# Altium PCB tester_board.PcbDoc (part 1 of 4) (continued)
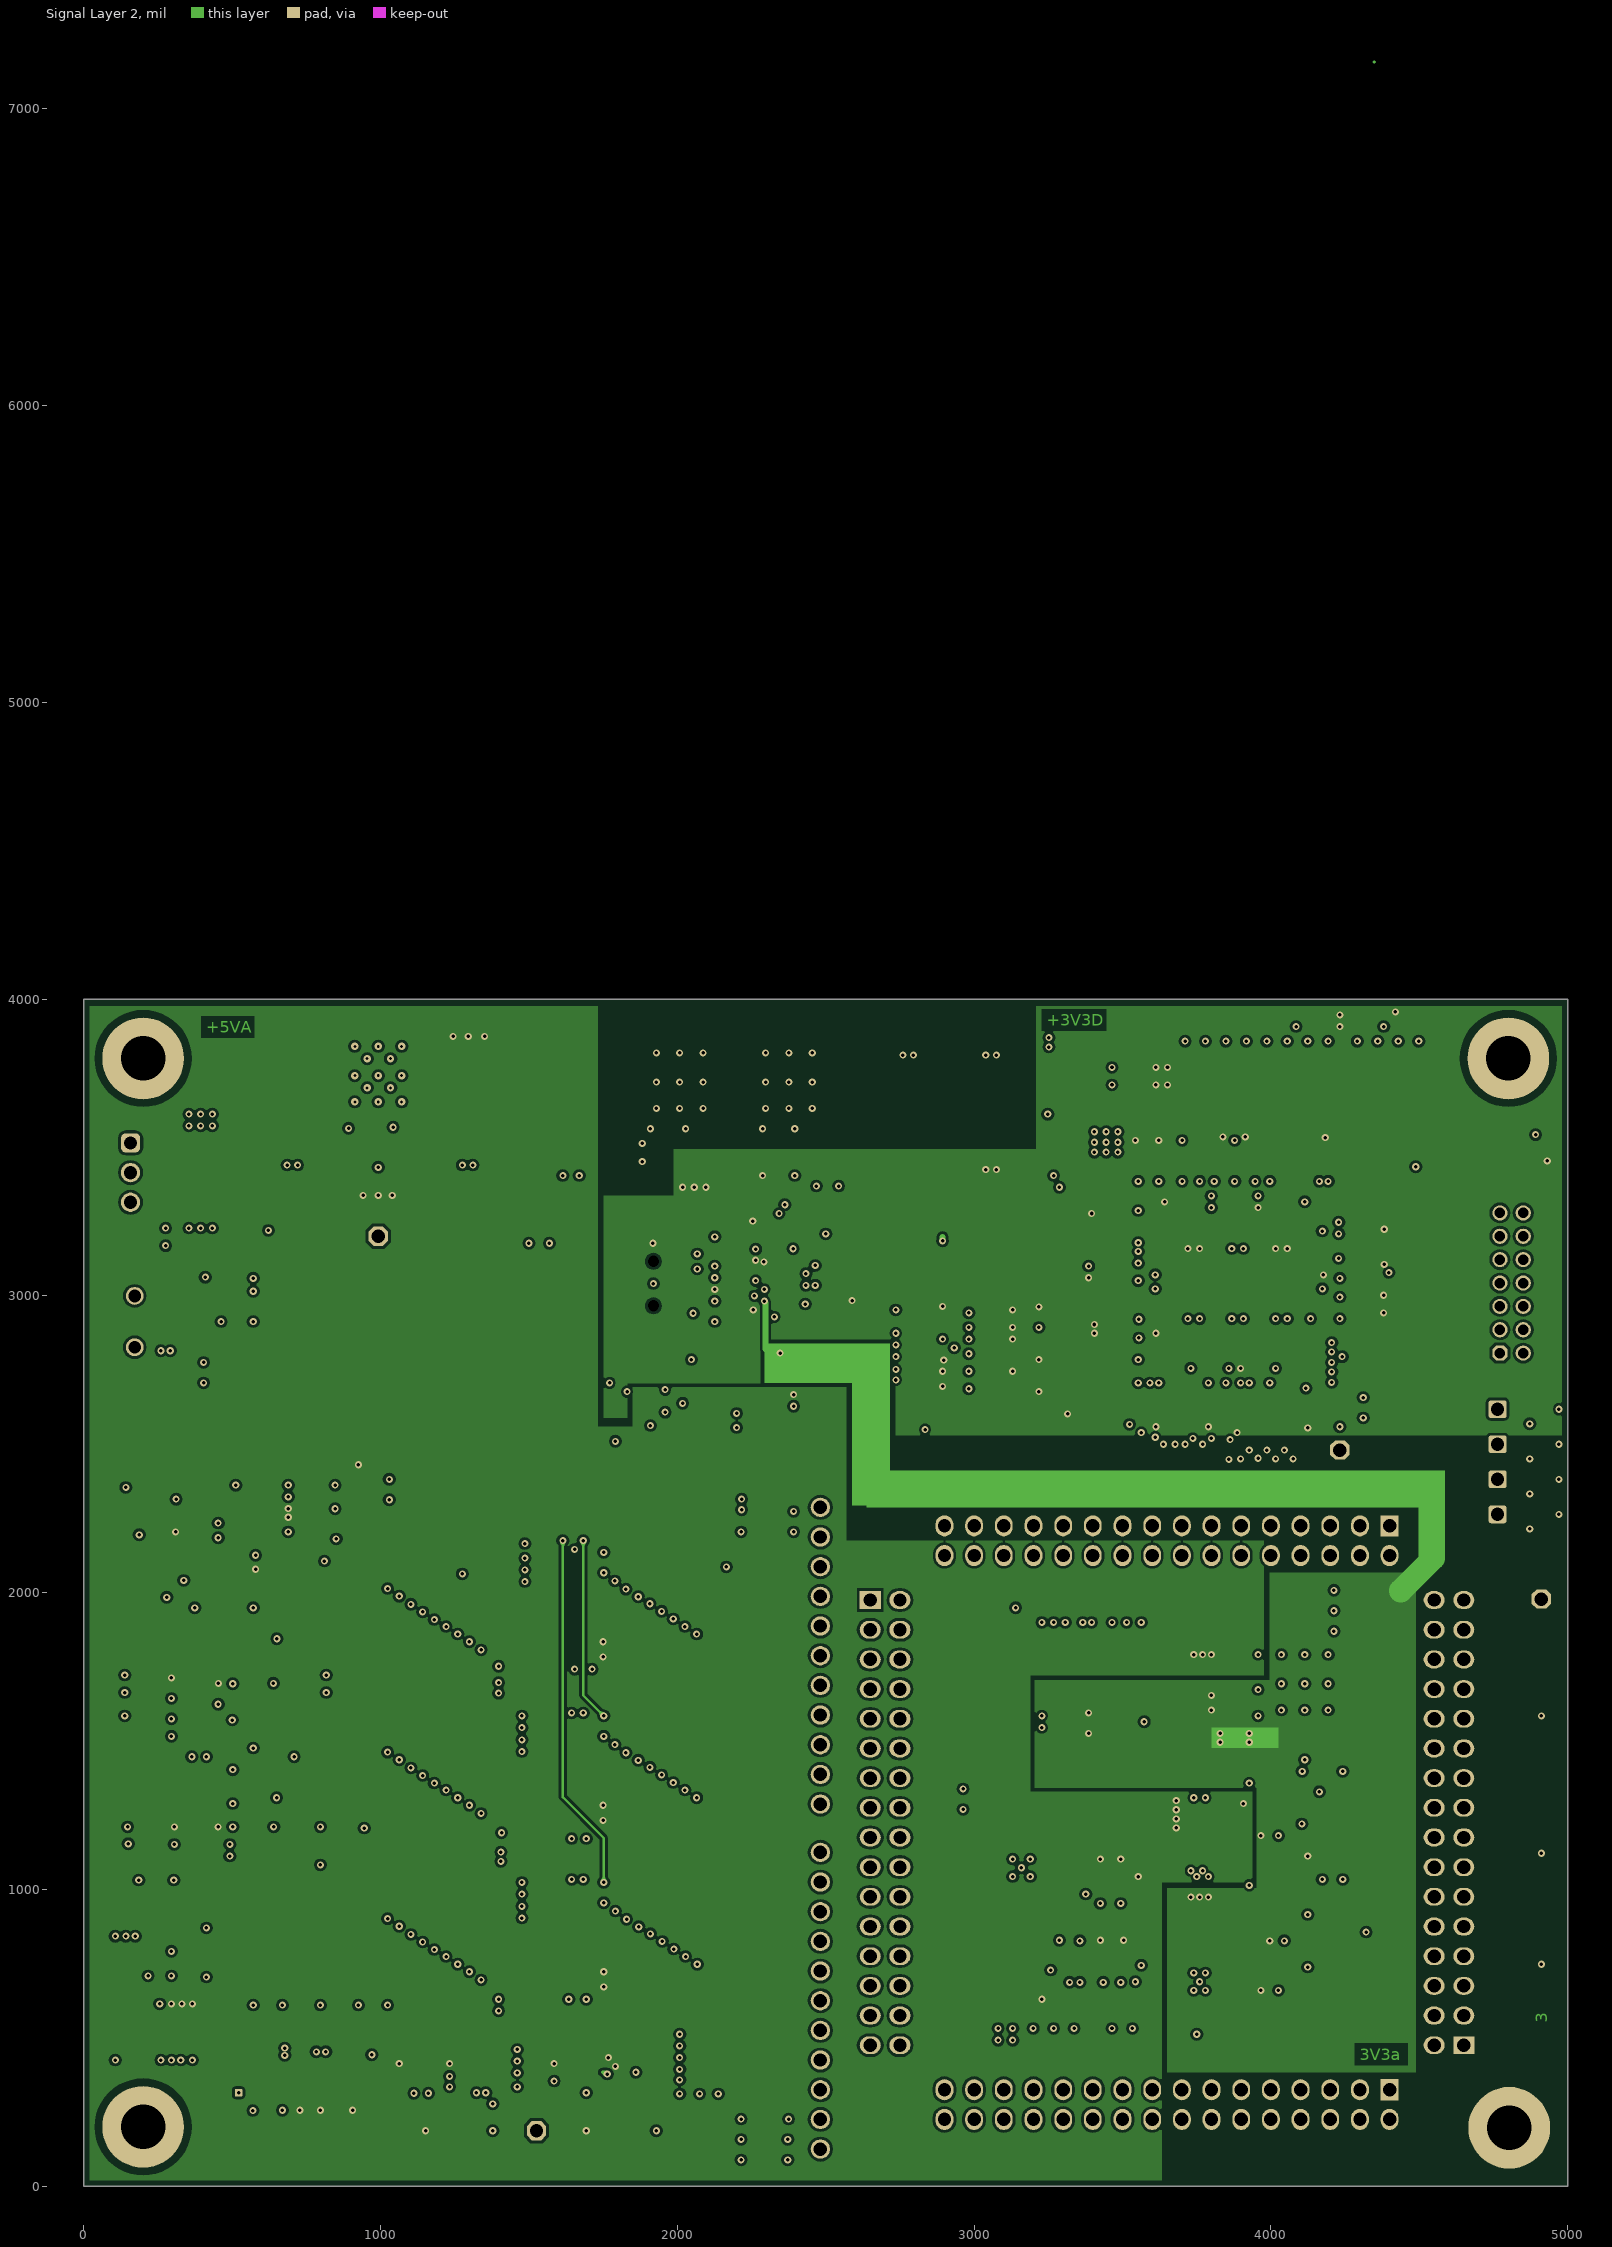
[diagram p3: Signal Layer 2]
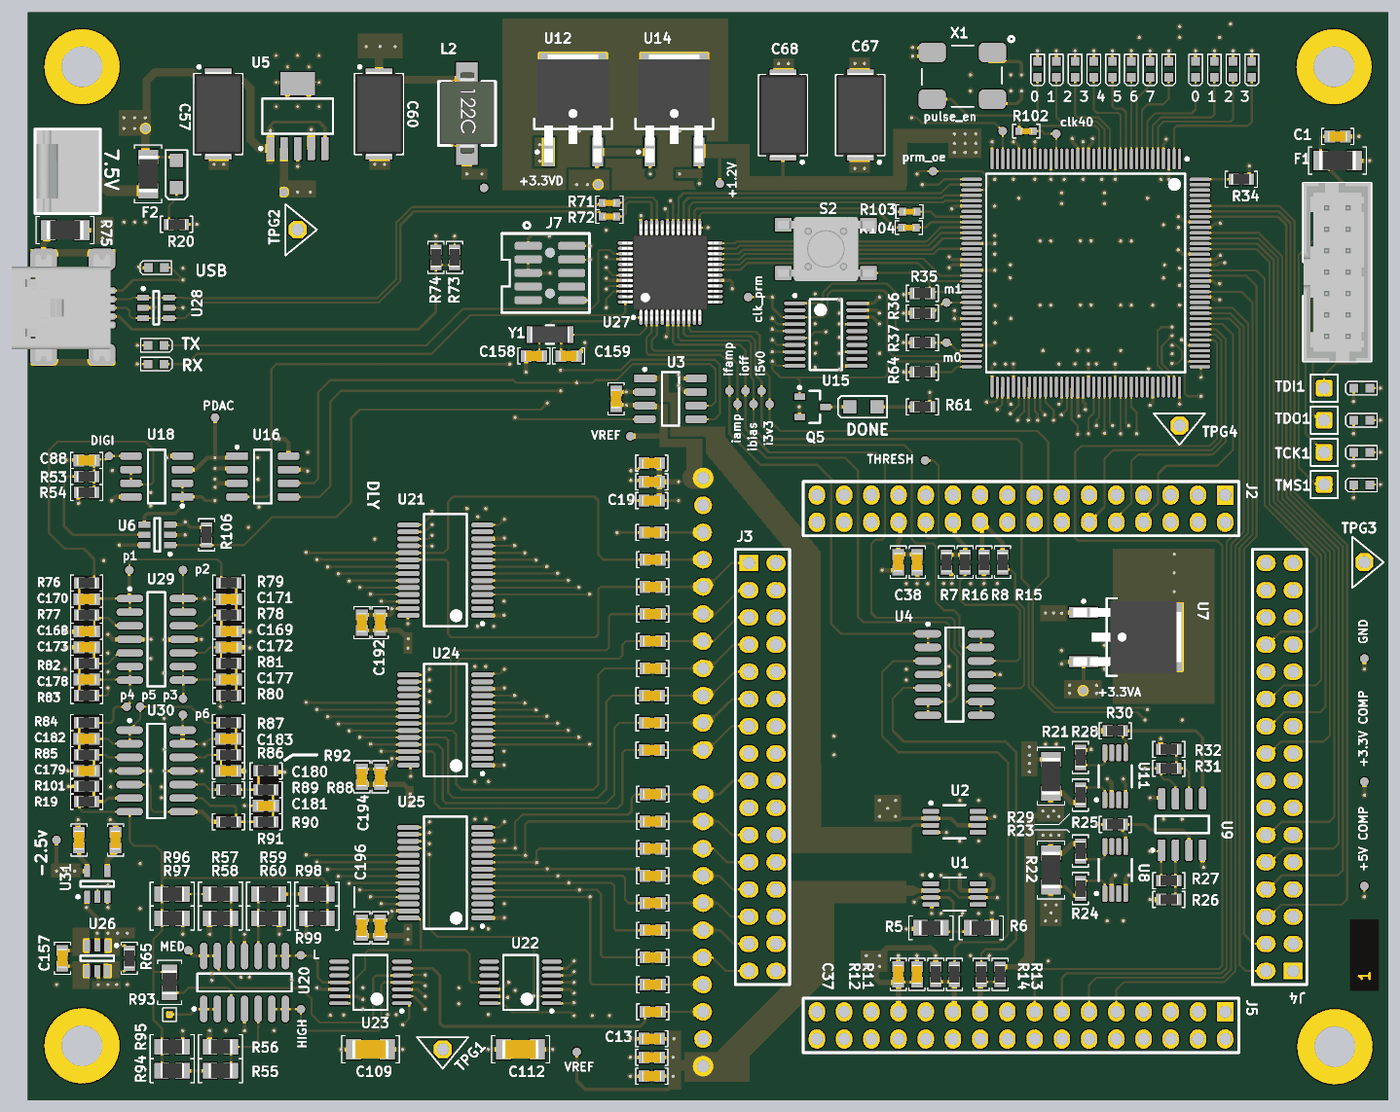
[diagram p7: 3D render of the assembled board from above, using the file's embedded part models]
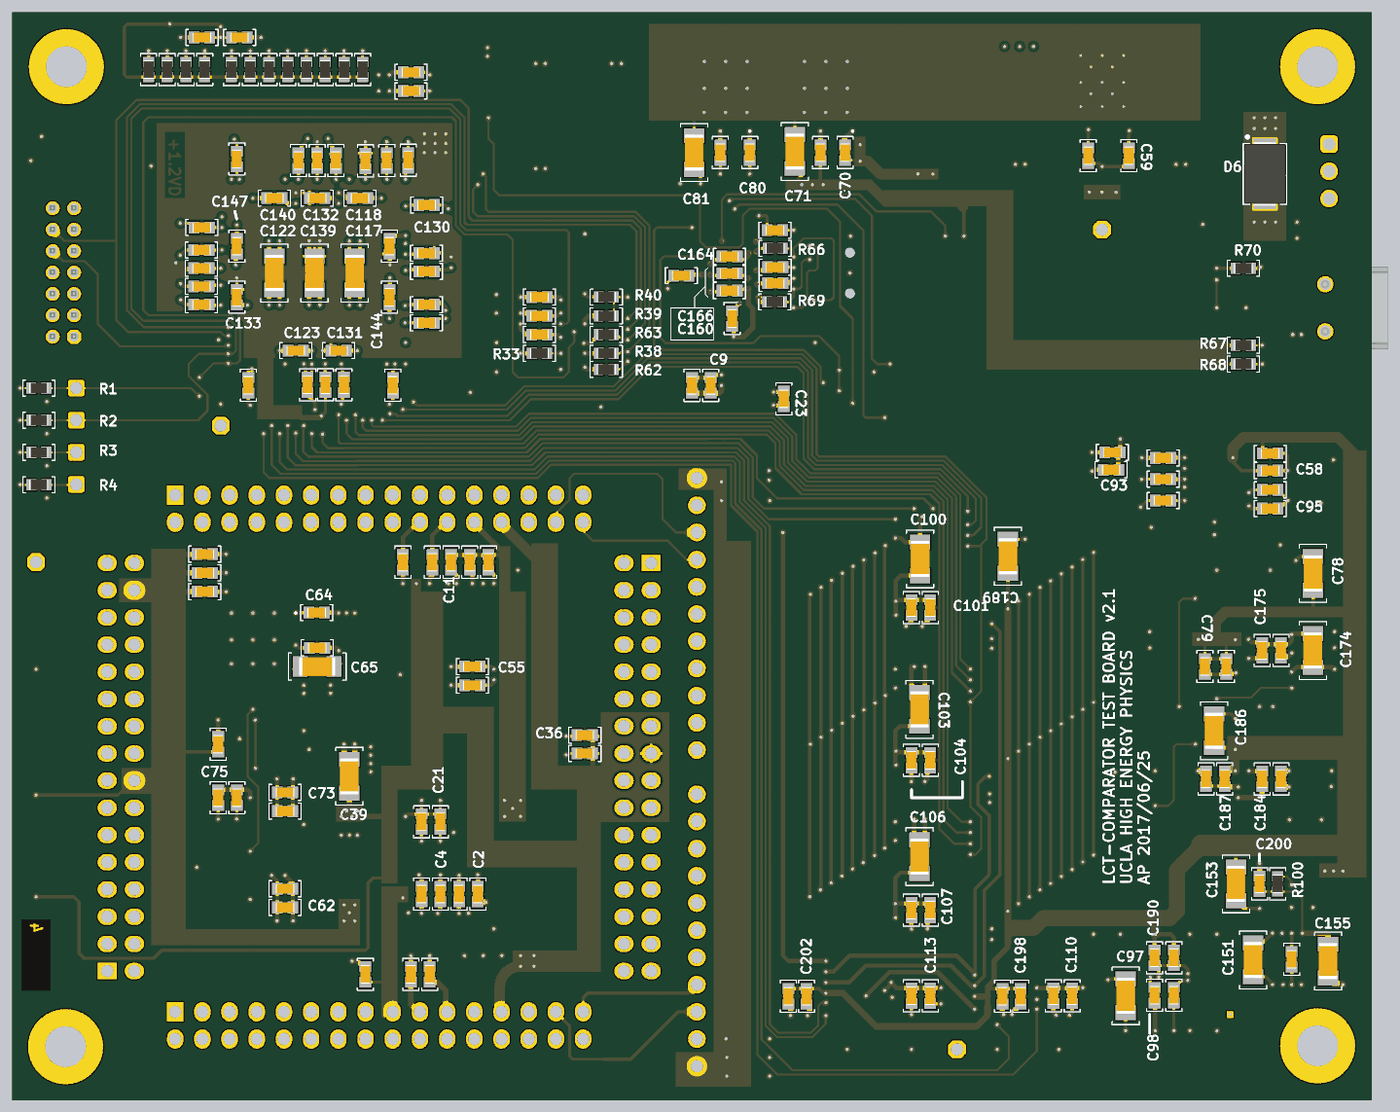
[diagram p8: 3D render of the assembled board from below, using the file's embedded part models]

## Layer stack, top to bottom
Top Solder: solder mask 0.4, Solder Resist, Dk 3.5
Top Layer: signal copper 1.4
Dielectric 1: core 10, FR-4, Dk 4.2
Signal Layer 1: signal copper 1.417
Dielectric 3: prepreg 5, Dk 4.2
Signal Layer 2: signal copper 1.417
Dielectric 2: core 10, Dk 4.2
Bottom Layer: signal copper 1.4
Bottom Solder: solder mask 0.4, Solder Resist, Dk 3.5

## Board outline
0,0 5000,0 5000,4000 0,4000

## Design rules (kind name [scope] priority, off if disabled: settings)
Clearance "Mounting Holes" [InComponent('S3') or InComponent('S4') or InComponent('S5')      or InComponent('S6')] p1: gap=25 ignorepadtopadclearanceinfootprint=FALSE except(0: Arc-Hole Track-Hole SMDPad-Hole THPad-Hole Via-Hole Fill-Hole Poly-Hole Region-Hole Text-Hole)
Clearance PolygonClearance [InPolygon] p2: gap=9 ignorepadtopadclearanceinfootprint=FALSE
Clearance [All] p3: gap=7.5 ignorepadtopadclearanceinfootprint=TRUE
DiffPairsRouting [All] p1: maxlimit=10 minlimit=7.5 mostfreqgap=10 toplayer_maxgap=7.5 toplayer_prefgap=7.5 toplayer_minwidth=7.5 toplayer_maxwidth=7.5 toplayer_prefwidth=7.5 midlayer1_maxgap=7.5 midlayer1_prefgap=7.5 midlayer1_minwidth=7.5 midlayer1_maxwidth=7.5 midlayer1_prefwidth=7.5 midlayer2_mingap=10 midlayer2_minwidth=7.5 midlayer2_maxwidth=15 midlayer2_prefwidth=10 bottomlayer_maxgap=7.5 bottomlayer_prefgap=7.5 bottomlayer_minwidth=7.5 bottomlayer_maxwidth=7.5 bottomlayer_prefwidth=7.5 maxuncoupledlength=500
HoleSize [All] p1: absolutevalues=TRUE maxlimit=150 minlimit=10 maxpercent=80.000 minpercent=20.000
MatchedLengths D [InNetClass('D[0..7]')] p1: tolerance=5 checknetsindiffpair=FALSE checkdiffpairvsdiffpair=TRUE checkxsignals=TRUE checkothers=TRUE
MinimumAnnularRing [All] p1: minimumring=6
MinimumSolderMaskSliver [All] p1: minsoldermaskwidth=5
PlaneConnect "Plane Connect VIA" [IsVia] p1: planeconnectstyle=Direct reliefexpansion=20 reliefentries=4 reliefconductorwidth=10 reliefairgap=10
PlaneConnect [All] p2: planeconnectstyle=Relief reliefexpansion=20 reliefentries=4 reliefconductorwidth=10 reliefairgap=10
PolygonConnect PolygonConnect_1 [IsVia] p1: connectstyle=Direct reliefconductorwidth=10 reliefentries=4 polygonreliefangle="90 Angle" airgapwidth=10
PolygonConnect "Thermal Connect" [IsNamedPolygon('THERM')] p2: connectstyle=Direct reliefconductorwidth=40 reliefentries=4 polygonreliefangle="90 Angle" airgapwidth=10
PolygonConnect [All] p3: connectstyle=Relief reliefconductorwidth=10 reliefentries=4 polygonreliefangle="90 Angle" airgapwidth=10
RoutingVias [All] p1: holewidth=11.81 width=21.65 viastyle="Through Hole" minholewidth=11.81 minwidth=21.65 maxholewidth=11.81 maxwidth=21.65
SilkToSilkClearance [All] p1: silktosilkclearance=5
SilkToSolderMaskClearance [IsPad] p1: minsilkscreentomaskgap=5.94 clearancetoexposedcopper=TRUE
SolderMaskExpansion [All] p1: expansion=5
Width "Power Width" [InNetClass('Power')  or InNetClass('Ground')] p1: maxlimit=200 minlimit=11.81 preferedwidth=11.81 toplayer_maxwidth=100 midlayer1_maxwidth=196.85 midlayer2_maxwidth=120 minimp=50.000000 maximp=50.000000 favimp=50.000000
Width [All] p2: maxlimit=200 minlimit=7.87 preferedwidth=7.87 toplayer_maxwidth=100 midlayer1_maxwidth=100 midlayer2_maxwidth=120 minimp=50.000000 maximp=50.000000 favimp=50.000000
24 further rules are at their usual default settings.

## Classes and differential pairs
component class U_charge_pump: C151 C152 C153 C154 C155 C157 C200 C201 R65 R100 U26 U31
component class U_fpga_power: C117 C118 C119 C120 C121 C122 C123 C124 C125 C126 C127 C128 C129 C130 C131 C132 C133 C134 C135 C136 C137 C138 C139 C140 C141 C142 C143 C144 C145 C146 C147 C148 C149 C150 C?
component class U_fpga_configuration: D19 Q5 R61 R62 R63 R64 R?
net class MED_ADDR_[4..1]: MED_ADDR_1 MED_ADDR_2 MED_ADDR_3 MED_ADDR_4
net class LOW_ADDR_[4..1]: LOW_ADDR_1 LOW_ADDR_2 LOW_ADDR_3 LOW_ADDR_4
net class HIGH_ADDR_[4..1]: HIGH_ADDR_1 HIGH_ADDR_2 HIGH_ADDR_3 HIGH_ADDR_4
component class "Pulse Multiplexer": C100 C101 C102 C103 C104 C105 C106 C107 C108 C109 C110 C111 C112 C113 C114 C192 C193 C194 C195 C196 C197 C198 C199 C202 C203 U21 U22 U23 U24 U25
net class PKTIME[0..2]: PKTIME0 PKTIME1 PKTIME2
net class PKMODE[0..1]: PKMODE0 PKMODE1
net class DISTRIP[0..7]: DISTRIP0 DISTRIP1 DISTRIP2 DISTRIP3 DISTRIP4 DISTRIP5 DISTRIP6 DISTRIP7
component class FPGA: C86 C87 D7 D8 D9 D10 D11 D12 D13 D14 D15 D16 D17 D18 R34 R35 R36 R37 R38 R39 R40 R41 R42 R43 R44 R45 R46 R47 R48 R49 R50 R51 R52 R102 R103 R104 S2 TP22 TP23 TP24 TP25 TP26 TP32 U17
component class PROM: C83 C84 C85 R33 U15
component class Power: C57 C59 C60 C61 C62 C63 C64 C65 C66 C67 C68 C70 C71 C72 C73 C74 C75 C76 C80 C81 C82 D5 D6 F2 F6 J6 L2 R20 R21 R22 R23 R24 R25 R26 R27 R28 R29 R30 R31 R32 TP9 TP10 TP11 TP12 TP13 TP15 TP16 TP17 TP18 TP19 TP20 TP21 TPG1 TPG2 TPG3 TPG4 U5 U7 U8 U9 U11 U12 U14
component class "LCT Comparator": C2 C3 C4 C5 C6 C7 C8 C9 C10 C11 C12 C13 C14 C15 C16 C17 C18 C19 C20 C21 C22 C23 C24 C25 C26 C27 C28 C29 C30 C31 C32 C33 C34 C35 C36 C37 C38 C39 C40 C41 C42 C43 C44 C45 C46 C47 C48 C49 C50 C51 C52 C53 C54 C55 C56 J2 J3 J4 J5 R5 R6 R7 R8 R9 R10 R11 R12 R13 R14 R15 R16 TP1 TP2 TP3 TP4 TP5 TP6 TP7 U1 U2 U3 U4
component class JTAG: C1 D1 D2 D3 D4 F1 J1 R1 R2 R3 R4 TCK1 TDI1 TDO1 TMS1
component class Microcontroller: C158 C159 C160 C161 C162 C163 C164 C165 C166 C167 D20 D21 D22 J7 J8 R66 R67 R68 R69 R70 R71 R72 R73 R74 R75 U27 U28 Y1
component class tester_board: S3 S4 S5 S6
component class "Pulse Generation": C58 C77 C88 C89 C90 C91 C92 C93 C94 C95 C97 C98 C99 C189 C190 C191 R53 R54 R55 R56 R57 R58 R59 R60 R93 R94 R95 R96 R97 R98 R99 R106 TP27 TP28 TP29 TP30 TP31 TP38 U6 U16 U18 U20
component class Clock: C115 C116 X1
net class NEXT_ADDR_[2..1]: NEXT_ADDR_1 NEXT_ADDR_2
net class PREV_ADDR_[2..1]: PREV_ADDR_1 PREV_ADDR_2
net class SIG[1..16]: SIG1 SIG2 SIG3 SIG4 SIG5 SIG6 SIG7 SIG8 SIG9 SIG10 SIG11 SIG12 SIG13 SIG14 SIG15 SIG16
net class Power: +1V2D +3V3A +3V3D +3V3D_COMP +5VA +5VD +V_IN -5VA
component class "RC 1-4": C78 C79 C168 C169 C170 C171 C172 C173 C174 C175 C176 C177 C178 C204 R76 R77 R78 R79 R80 R81 R82 R83 TP8 TP33 TP34 TP35 U29
component class "RC 4-6": C179 C180 C181 C182 C183 C184 C185 C186 C187 C188 R19 R84 R85 R86 R87 R88 R89 R90 R91 R92 R101 TP36 TP37 U30
net class Ground: GND

## Components (designator, comment, footprint, x,y, rotation, side; value= is the part's Value field where it differs from the comment)
C1 "1uF" C0603 4812.99,3543.31 r0 top locked
C2 "1uF" C0603 3287.4,757.87 r90 bottom locked
C3 "0.1uF" C0603 3494.09,757.87 r270 bottom locked
C4 "1uF" C0603 3425.2,757.87 r90 bottom locked
C5 "0.1uF" C0603 3356.3,757.87 r270 bottom locked
C6 "0.1uF" C0603 3454.72,1978.35 r270 bottom locked
C7 "0.1uF" C0603 3562.99,1978.35 r270 bottom locked
C8 "0.1uF" C0603 2500,2627.95 r270 bottom
C9 "1uF" C0603 2431.1,2627.95 r90 bottom
C10 "0.1uF" C0603 3316.93,1978.35 r90 bottom locked
C11 "1uF" C0603 3385.83,1978.35 r270 bottom locked
C12 "10nF" C0603 3248.03,1978.35 r90 bottom locked
C13 "1uF" C0603 2293.31,226.38 r180 top locked
C14 "0.1uF" C0603 2293.31,88.58 r0 top
C15 "0.1uF" C0603 3700.79,462.6 r270 bottom
C16 "0.1uF" C0603 2293.31,2273.62 r0 top locked
C17 "0.1uF" C0603 2293.31,157.48 r0 top
C18 "0.1uF" C0603 2293.31,2342.52 r0 top locked
C19 "1uF" C0603 2293.31,2204.72 r180 top
C20 "0.1uF" C0603 3494.09,1023.62 r270 bottom
C21 "1uF" C0603 3425.2,1023.62 r90 bottom
C22 "0.1uF" C0603 2162.2,2578.74 r90 top locked
C23 "1uF" C0603 2162.2,2578.74 r270 bottom locked
C24 "0.001uF" C0603 2294.39,2087.5 r0 top locked
C25 "0.001uF" C0603 2296.89,1987.5 r0 top locked
C26 "0.001uF" C0603 2296.89,1887.5 r0 top locked
C27 "0.001uF" C0603 2296.89,1787.5 r0 top locked
C28 "0.001uF" C0603 2296.89,1687.5 r0 top locked
C29 "0.001uF" C0603 2296.89,1587.5 r0 top locked
C30 "0.001uF" C0603 2294.39,1487.5 r0 top locked
C31 "0.001uF" C0603 2294.39,1387.5 r0 top locked
C32 "0.001uF" C0603 2294.39,1287.5 r0 top locked
C33 "0.1uF" C0603 2893.7,1275 r180 bottom locked
C34 "0.1uF" C0603 3198.82,1978.35 r90 top locked
C35 "0.1uF" C0603 3267.72,462.6 r270 top
C36 "1uF" C0603 2893.7,1342.52 r180 bottom
C37 "1uF" C0603 3198.82,462.6 r270 top
C38 "1uF" C0603 3268.7,1978.35 r90 top locked
C39 "10uF" C1206 3759.84,1190.95 r90 bottom locked
C40 "0.001uF" C0603 2296.89,1125 r0 top locked
C41 "0.001uF" C0603 2296.89,1025 r0 top locked
C42 "0.001uF" C0603 2296.89,925 r0 top locked
C43 "0.001uF" C0603 2296.89,825 r0 top locked
C44 "0.001uF" C0603 2296.89,725 r0 top locked
C45 "0.001uF" C0603 2296.89,625 r0 top locked
C46 "0.001uF" C0603 2296.89,525 r0 top locked
C47 "0.001uF" C0603 2296.89,425 r0 top locked
C48 "0.001uF" C0603 2296.89,325 r0 top locked
C49 "10nF" C0603 4291.34,1870.08 r0 bottom
C50 "10nF" C0603 4291.34,1938.98 r0 bottom
C51 "0.1uF" C0603 4291.34,2007.87 r0 bottom
C52 "0.1uF" C0603 4242.13,1309.06 r270 bottom
C53 "0.1uF" C0603 3464.57,462.6 r270 bottom
C54 "0.1uF" C0603 3533.46,462.6 r270 bottom
C55 "1uF" C0603 3307.09,1594.49 r0 bottom locked
C56 "0.1uF" C0603 3307.09,1525.59 r0 bottom locked
C57 "220uF" C2917_POLAR 700.79,3625.98 r90 top
C58 "1uF" C0603 374.02,2314.96 r0 bottom
C59 "1uF" C0603 893.7,3472.44 r270 bottom
C60 "100 uF" C2917_POLAR 1291.34,3625.98 r90 top
C61 "0.1uF" C0603 1043.31,3472.44 r270 bottom
C62 "1uF" C0603 3996.06,708.66 r180 bottom
C63 "0.1uF" C0603 3996.06,777.56 r180 bottom
C64 "1uF" C0603 3879.92,1792.91 r0 bottom locked
C65 "10uF" c1206 3877.95,1594.49 r180 bottom locked
C66 "0.1uF" C0603 3877.95,1663.39 r0 bottom locked
C67 "100 uF" C2917_POLAR 3059.06,3622.05 r270 top
C68 "100 uF" C2917_POLAR 2775.59,3622.05 r270 top
C70 "1uF" C0603 1937.01,3484.25 r90 bottom
C71 "10uF" c1206 2122.05,3488.19 r270 bottom
C72 "0.1uF" C0603 2027.56,3484.25 r90 bottom locked
C73 "1uF" C0603 3996.06,1131.89 r180 bottom
C74 "0.1uF" C0603 3996.06,1062.99 r180 bottom
C75 "1uF" C0603 4242.13,1112.2 r90 bottom
C76 "0.1uF" C0603 4173.23,1112.2 r90 bottom
C77 "0.1uF" C0603 374.02,2377.95 r0 bottom
C78 "10uF" c1206 216.54,1937.01 r270 bottom
C79 "1uF" C0603 614.17,1594.49 r270 bottom
C80 "1uF" C0603 2287.4,3484.25 r90 bottom
C81 "10uF" c1206 2492.13,3484.25 r270 bottom
C82 "0.1uF" C0603 2395.67,3484.25 r90 bottom
C83 "0.1uF" C0603 3061.02,2952.76 r0 bottom locked
C84 "0.1uF" C0603 3061.02,2814.96 r0 bottom
C85 "0.1uF" C0603 3061.02,2883.86 r0 bottom locked
C86 "0.1uF" C0603 4301.18,3907.48 r0 bottom
C87 "0.1uF" C0603 4163.39,3907.48 r180 bottom
C88 "100pF" C0603 216.54,2352.36 r0 top locked
C89 "0.1uF" C0603 767.72,2361.22 r180 bottom locked
C90 "0.1uF" C0603 767.72,2204.72 r180 bottom
C91 "0.1uF" C0603 954.72,2381.89 r180 bottom locked
C92 "0.1uF" C0603 767.72,2283.46 r180 bottom
C93 "1uF" C0603 958.66,2317.95 r180 bottom locked
C94 "0.1uF" C0603 374.02,2244.09 r180 bottom locked
C95 "1uF" C0603 374.02,2175.2 r180 bottom locked
C97 "10uF" c1206 905.51,383.86 r90 bottom
C98 "1uF" C0603 799.21,385.83 r270 bottom
C99 "0.1uF" C0603 728.35,385.83 r270 bottom
C100 "10uF" c1206 1661.26,1990 r90 bottom
C101 "1uF" C0603 1624.02,1811.02 r90 bottom
C102 "0.1uF" C0603 1692.91,1811.02 r90 bottom
C103 "10uF" c1206 1663.39,1437.01 r90 bottom
C104 "1uF" C0603 1692.91,1250 r90 bottom
C105 "0.1uF" C0603 1624.02,1250 r90 bottom
C106 "10uF" c1206 1663.39,895.67 r90 bottom
C107 "1uF" C0603 1624.02,698.82 r90 bottom
C108 "0.1uF" C0603 1692.91,698.82 r90 bottom
C109 "10uF" c1206 1259.84,187.01 r0 top locked
C110 "1uF" C0603 1102.36,383.86 r90 bottom
C111 "0.1uF" C0603 1171.26,383.86 r90 bottom
C112 "10uF" c1206 1811.02,187.01 r0 top locked
C113 "1uF" C0603 1624.02,383.86 r90 bottom
C114 "0.1uF" C0603 1692.91,383.86 r90 bottom
C115 "0.1uF" C0603 3533.46,3710.63 r180 bottom locked
C116 "0.1uF" C0603 3533.46,3779.53 r180 bottom
C117 "10uF" C1206 3740.16,3041.34 r90 bottom locked
C118 "1uF" C0603 3720.47,3316.93 r0 bottom locked
C119 "0.1uF" C0603 4173.23,3460.63 r90 bottom locked
C120 "10nF" C0603 3622.05,3454.72 r90 bottom
C121 "10nF" C0603 4303.15,2992.13 r0 bottom
C122 "10uF" C1206 4035.43,3041.34 r90 bottom locked
C123 "1uF" C0603 3956.69,2755.91 r0 bottom locked
C124 "0.1uF" C0603 4303.15,2925.2 r0 bottom
C125 "0.1uF" C0603 4131.2,2628.44 r270 bottom locked
C126 "10nF" C0603 4303.15,3125.98 r0 bottom
C127 "10nF" C0603 3543.31,3455.71 r90 bottom locked
C128 "10nF" C0603 3476.38,3047.24 r180 bottom
C129 "10nF" C0603 3809.06,3454.72 r90 bottom
C130 "1uF" C0603 3612.2,3139.76 r90 bottom locked
C131 "1uF" C0603 3799.21,2755.91 r180 bottom locked
C132 "1uF" C0603 3877.95,3316.93 r180 bottom locked
C133 "1uF" C0603 4173.23,2952.76 r270 bottom locked
C134 "0.1uF" C0603 3877.95,3454.72 r270 bottom locked
C135 "10nF" C0603 3476.38,3114.17 r180 bottom
C136 "10nF" C0603 4303.15,3059.06 r0 bottom
C137 "10nF" C0603 3700.3,3453.84 r90 bottom locked
C138 "10nF" C0603 3847.64,2630.31 r270 bottom locked
C139 "10uF" C1206 3887.8,3041.34 r90 bottom locked
C140 "1uF" C0603 4035.43,3316.93 r0 bottom locked
C141 "0.1uF" C0603 4302.17,3208.66 r0 bottom locked
C142 "10nF" C0603 3599.7,2628.44 r270 bottom locked
C143 "10nF" C0603 3476.38,2925.2 r180 bottom
C144 "1uF" C0603 3612.2,2952.76 r90 bottom locked
C145 "0.1uF" C0603 3913.39,2629.92 r270 bottom
C146 "10nF" C0603 3475.3,3291.34 r180 bottom locked
C147 "1uF" C0603 4173.23,3139.76 r90 bottom locked
C148 "10nF" C0603 3779.53,2629.92 r270 bottom
C149 "10nF" C0603 3476.38,2858.27 r180 bottom
C150 "10nF" C0603 3946.85,3454.72 r90 bottom
C151 "10uF" c1206 437.01,515.75 r90 bottom
C152 "0.1uF" C0603 295.28,517.72 r90 bottom
C153 "10uF" c1206 500,795.28 r90 bottom
C154 "0.1uF" C0603 188.98,956.69 r270 top
C155 "10uF" c1206 161.42,511.81 r270 bottom
C157 "1uF" C0603 127.95,521.65 r270 top locked
C158 "22pF" C0603 1860.24,2736.22 r180 top locked
C159 "22pF" C0603 1988.19,2736.22 r0 top locked
C160 "1uF" C0603 2362.2,2976.38 r180 bottom
C161 "10nF" C0603 2352.36,2874.02 r90 bottom
C162 "10nF" C0603 2539.37,3031.5 r0 bottom
C163 "10nF" C0603 2194.09,3003.69 r0 bottom locked
C164 "1uF" C0603 2362.2,3102.36 r0 bottom
C165 "10nF" C0603 2194.88,3198.82 r180 bottom
C166 "1uF" C0603 2362.2,3039.37 r0 bottom
C167 "10nF" C0603 2194.09,3062.75 r0 bottom locked
C168 "100pF" C0603 217.52,1724.02 r180 top locked
C169 "100pF" C0603 739.17,1724.02 r0 top locked
C170 "100pF" C0603 217.52,1842.13 r0 top locked
C171 "100pF" C0603 739.17,1842.13 r180 top locked
C172 "100pF" C0603 739.17,1664.96 r0 top locked
C173 "100pF" C0603 217.52,1664.96 r180 top locked
C174 "10uF" C1206 217.52,1653.54 r270 bottom
C175 "1uF" C0603 403.54,1653.54 r90 bottom
C176 "0.1uF" C0603 334.65,1653.54 r90 bottom
C177 "100pF" C0603 739.17,1546.85 r180 top locked
C178 "100pF" C0603 217.52,1546.85 r0 top locked
C179 "100pF" C0603 216.54,1210.63 r180 top locked
C180 "100pF" C0603 738.19,1210.63 r0 top locked
C181 "0.001uF" C0603 875.98,1082.68 r180 top locked
C182 "100pF" C0603 216.54,1328.74 r0 top locked
C183 "100pF" C0603 738.19,1328.74 r180 top locked
C184 "1uF" C0603 403.54,1181.1 r90 bottom locked
C185 "0.1uF" C0603 334.65,1181.1 r90 bottom locked
C186 "10uF" c1206 580.71,1358.27 r90 bottom
C187 "1uF" C0603 541.34,1181.1 r270 bottom locked
C188 "0.1uF" C0603 610.24,1181.1 r270 bottom locked
C189 "10uF" c1206 1338.58,2000 r270 bottom
C190 "1uF" C0603 799.21,523.62 r270 bottom
C191 "0.1uF" C0603 728.35,523.62 r270 bottom
C192 "1uF" C0603 1295.28,1755.91 r90 top
C193 "0.1uF" C0603 1228.35,1755.91 r90 top
C194 "1uF" C0603 1228.35,1188.98 r90 top
C195 "0.1uF" C0603 1295.28,1188.98 r90 top
C196 "1uF" C0603 1228.35,633.86 r90 top
C197 "0.1uF" C0603 1295.28,633.86 r90 top
C198 "1uF" C0603 1291.34,381.89 r90 bottom
C199 "0.1uF" C0603 1358.27,381.89 r90 bottom
C200 "100pF" C0603 413.39,795.28 r270 bottom
C201 "0.1uF" C0603 322.83,956.69 r270 top
C202 "1uF" C0603 2078.74,381.89 r90 bottom
C203 "0.1uF" C0603 2145.67,381.89 r90 bottom
C204 "0.1uF" C0603 535.43,1594.49 r270 bottom
D1 "LITEON/LTST-C191KGKT" LED0603 4901.57,2618.11 r180 top locked
D2 "Vishay/TLMO1000-GS08" LED0603 4901.57,2500 r180 top locked
D3 "Vishay/TLMS1000-GS08" LED0603 4901.57,2381.89 r180 top locked
D4 "Vishay/TLMY1000-GS08" LED0603 4901.57,2262.39 r180 top locked
D5 "LITEON/LTST-C171KRKT" LED0805 547.24,3405.51 r270 top
D6 "18V" "DIODE SMB" 393.7,3405.51 r90 bottom locked
D7 "Vishay/TLMS1000-GS08" LED0603 3710.63,3789.37 r270 top locked
D8 "Vishay/TLMS1000-GS08" LED0603 3779.53,3789.37 r270 top locked
D9 "Vishay/TLMS1000-GS08" LED0603 3848.43,3789.37 r270 top locked
D10 "Vishay/TLMS1000-GS08" LED0603 3917.32,3789.37 r270 top locked
D11 "Vishay/TLMS1000-GS08" LED0603 3986.22,3789.37 r270 top locked
D12 "Vishay/TLMS1000-GS08" LED0603 4055.12,3789.37 r270 top locked
D13 "Vishay/TLMS1000-GS08" LED0603 4124.02,3789.37 r270 top locked
D14 "Vishay/TLMS1000-GS08" LED0603 4192.91,3789.37 r270 top locked